# Altium PCB Robot Controller.PcbDoc (part 1 of 2) (continued)
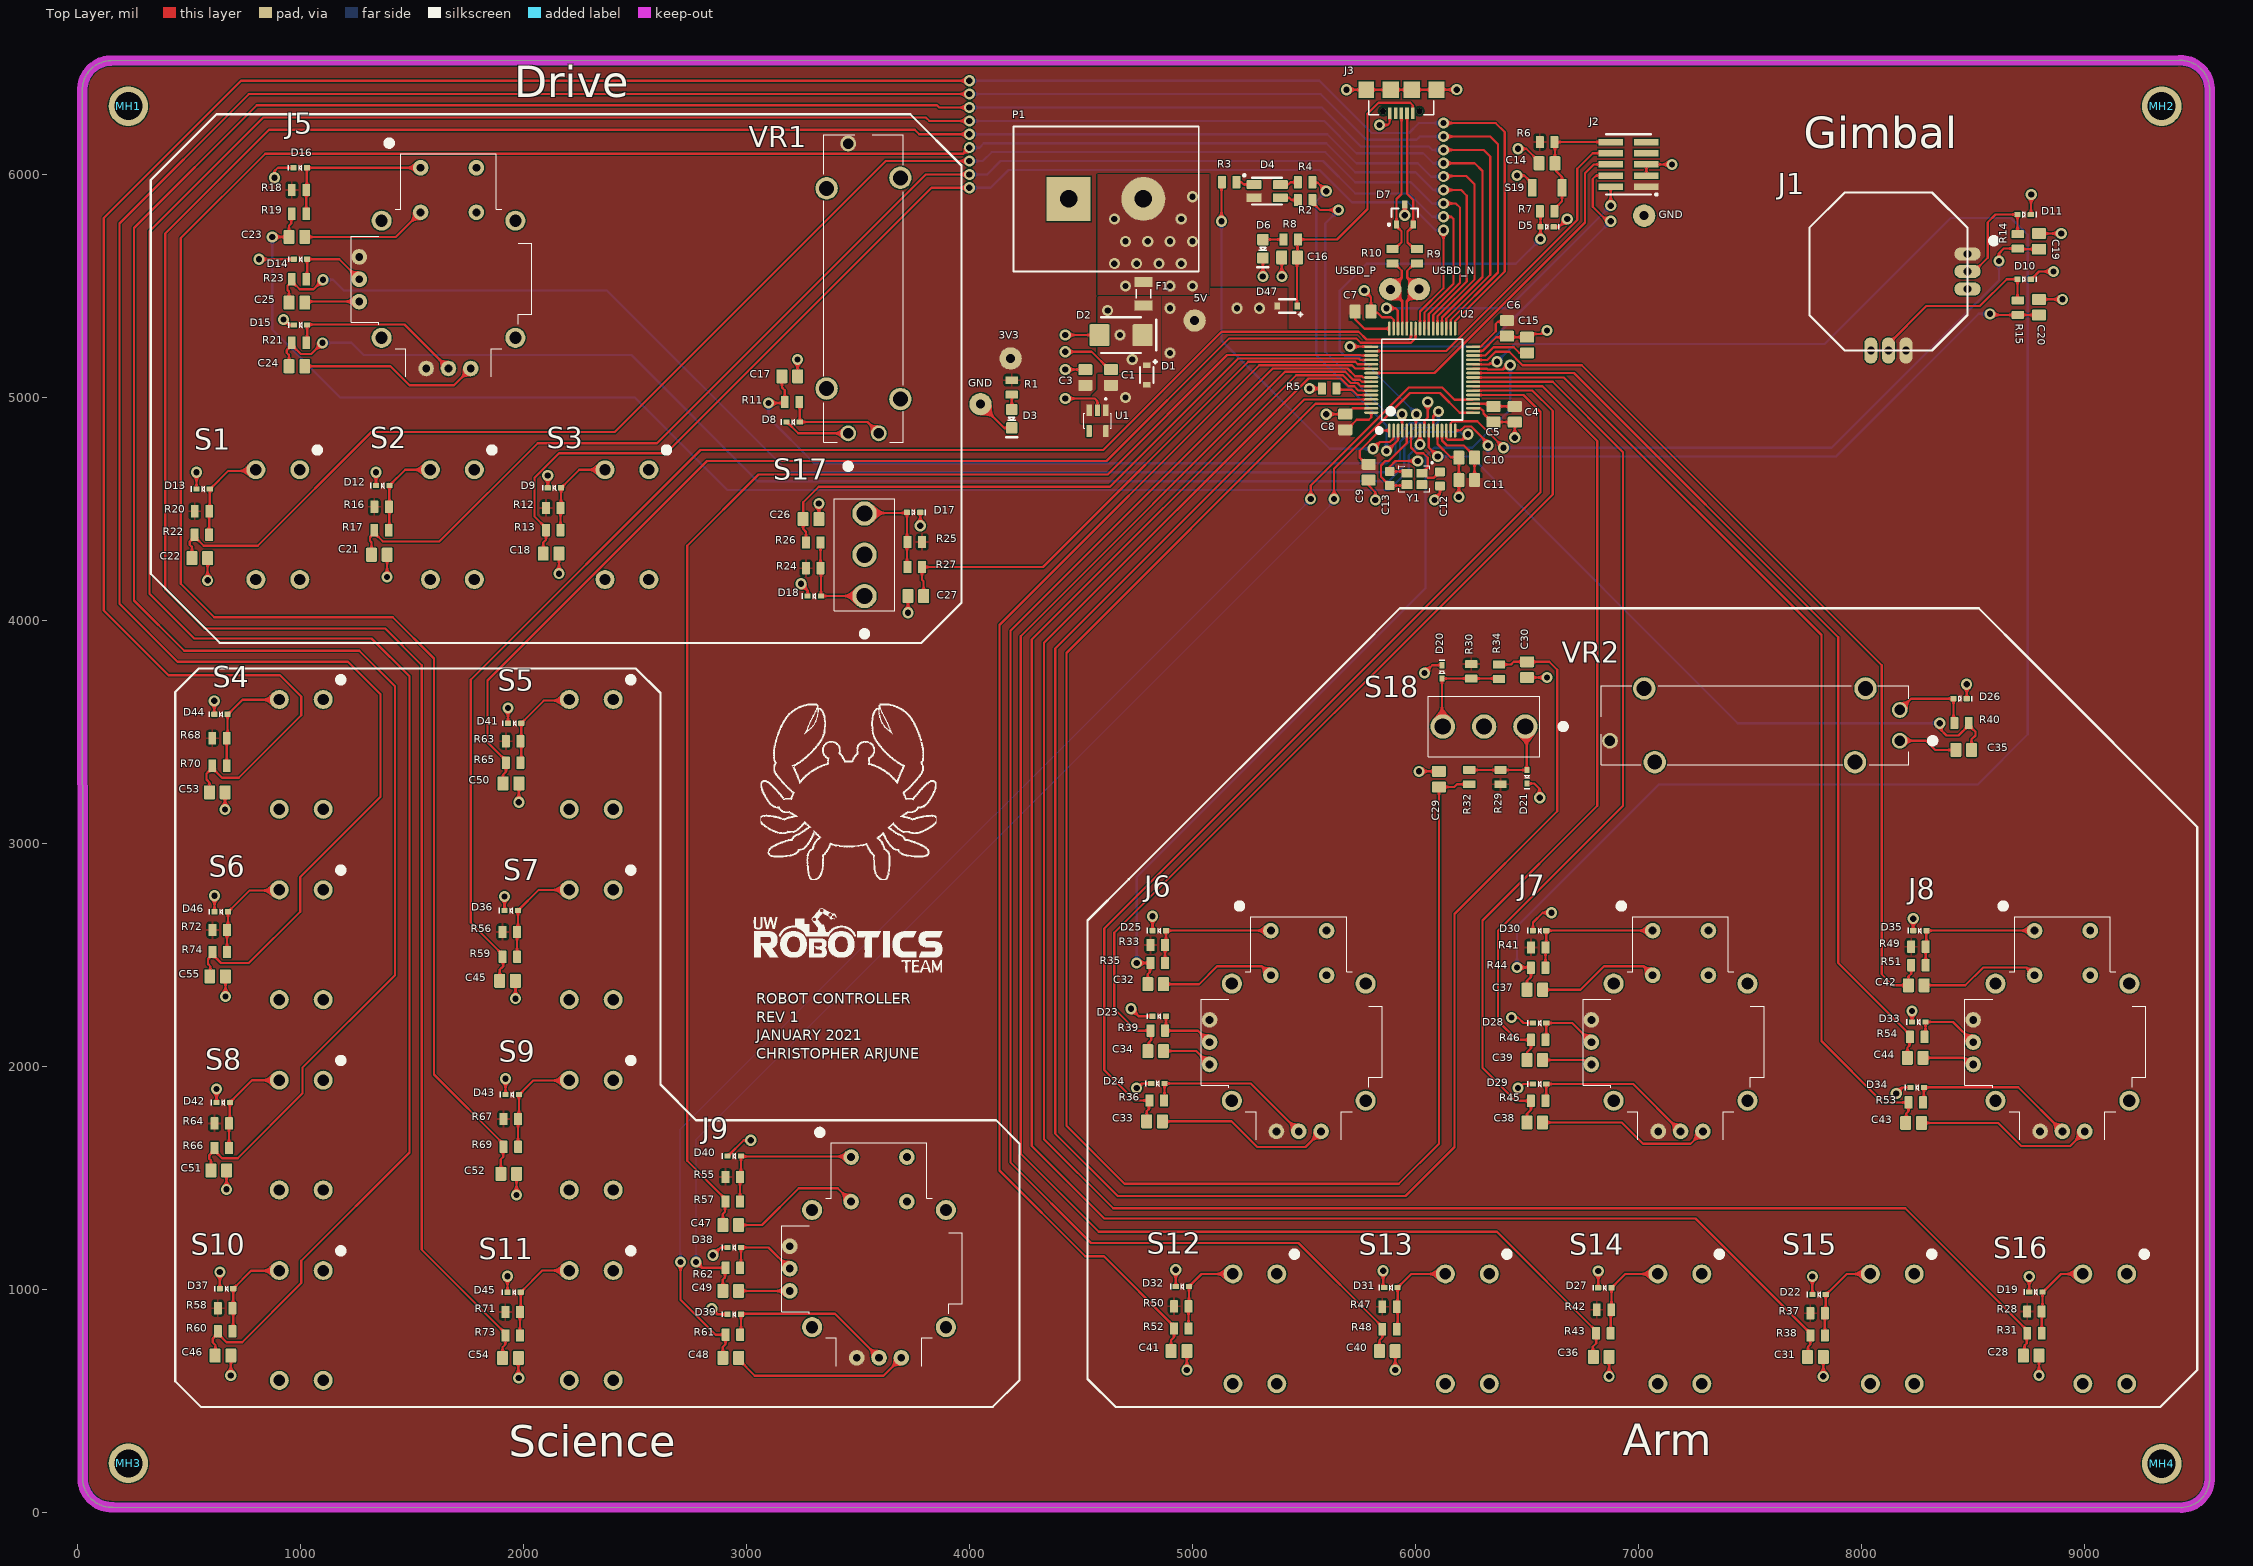
[diagram p0: Top Layer view]
## Components (designator, comment, footprint, x,y, rotation, side; value= is the part's Value field where it differs from the comment) (continued)
D15 "TVS_DIODE_UNIDIR_3.3V" SOD523 1001.5,5325 r180 top
D16 "TVS_DIODE_UNIDIR_3.3V" SOD523 1000,6030 r180 top
D17 "TVS_DIODE_UNIDIR_3.3V" SOD523 3750,4485 r0 top
D18 "TVS_DIODE_UNIDIR_3.3V" SOD523 3305,4110 r180 top
D19 "TVS_DIODE_UNIDIR_3.3V" SOD523 8781.14,990 r180 top
D20 "TVS_DIODE_UNIDIR_3.3V" SOD523 6118.7,3769.92 r90 top
D21 "TVS_DIODE_UNIDIR_3.3V" SOD523 6500,3300.08 r270 top
D22 "TVS_DIODE_UNIDIR_3.3V" SOD523 7808.98,979.15 r180 top
D23 "TVS_DIODE_UNIDIR_3.3V" SOD523 4851.38,2226.36 r180 top
D24 "TVS_DIODE_UNIDIR_3.3V" SOD523 4845,1925 r180 top
D25 "TVS_DIODE_UNIDIR_3.3V" SOD523 4851.38,2610 r180 top
D26 "TVS_DIODE_UNIDIR_3.3V" SOD523 8441.38,3650 r0 top
D27 "TVS_DIODE_UNIDIR_3.3V" SOD523 6848.98,1009.15 r180 top
D28 "TVS_DIODE_UNIDIR_3.3V" SOD523 6556.38,2195.7 r180 top
D29 "TVS_DIODE_UNIDIR_3.3V" SOD523 6556.38,1922.47 r180 top
D30 "TVS_DIODE_UNIDIR_3.3V" SOD523 6556.38,2610 r180 top
D31 "TVS_DIODE_UNIDIR_3.3V" SOD523 5890,1010 r180 top
D32 "TVS_DIODE_UNIDIR_3.3V" SOD523 4955,1015 r180 top
D33 "TVS_DIODE_UNIDIR_3.3V" SOD523 8256.14,2200.8 r180 top
D34 "TVS_DIODE_UNIDIR_3.3V" SOD523 8249.02,1906.99 r180 top
D35 "TVS_DIODE_UNIDIR_3.3V" SOD523 8261.14,2610 r180 top
D36 "TVS_DIODE_UNIDIR_3.3V" SOD523 1946.38,2700 r180 top
D37 "TVS_DIODE_UNIDIR_3.3V" SOD523 670,1005 r180 top
D38 "TVS_DIODE_UNIDIR_3.3V" SOD523 2946.14,1190 r180 top
D39 "TVS_DIODE_UNIDIR_3.3V" SOD523 2946.14,890 r180 top
D40 "TVS_DIODE_UNIDIR_3.3V" SOD523 2946.14,1600 r180 top
D41 "TVS_DIODE_UNIDIR_3.3V" SOD523 1961.38,3540 r180 top
D42 "TVS_DIODE_UNIDIR_3.3V" SOD523 655,1840 r180 top
D43 "TVS_DIODE_UNIDIR_3.3V" SOD523 1950.91,1875 r180 top
D44 "TVS_DIODE_UNIDIR_3.3V" SOD523 645,3580 r180 top
D45 "TVS_DIODE_UNIDIR_3.3V" SOD523 1959.02,989.15 r180 top
D46 "TVS_DIODE_UNIDIR_3.3V" SOD523 646.14,2695 r180 top
D47 "DIO_SCHOTTKY_30V_800mA" SOD-323_UNIDIR 5425,5410 r180 top
F1 "FUSE_1.25A_1206" FUSE_1206 4780,5465 r270 top
GND "TESTPOINT_LOOP" TESTPOINT_LOOP 7025,5815 r0 top (schematic designator TP4)
GND "TESTPOINT_LOOP" TESTPOINT_LOOP 4050,4970 r0 top (schematic designator TP3)
J1 "2_AXIS_JOYSTICK_SMALL" 2_AXIS_JOYSTICK_SMALL 8120,5565 r0 top
J2 "CON_PROGRAMMING" FTSH-105-01-F-DV-K-P-TR 6955,6045 r90 top
J3 "629105136821" 629105136821 5936.31,6379.54 r180 top
J5 "2_AXIS_JOYSTICK" 2_AXIS_JOYSTICK 1665,5530 r0 top
J6 "2_AXIS_JOYSTICK" 2_AXIS_JOYSTICK 5476.67,2110 r0 top
J7 "2_AXIS_JOYSTICK" 2_AXIS_JOYSTICK 7188.33,2110 r0 top
J8 "2_AXIS_JOYSTICK" 2_AXIS_JOYSTICK 8900,2110 r0 top
J9 "2_AXIS_JOYSTICK" 2_AXIS_JOYSTICK 3595,1095 r0 top
MH1 "MOUNTING_HOLE_M3" MOUNTING_HOLE_3mm#1 215,6355 r0 top
MH2 "MOUNTING_HOLE_M3" MOUNTING_HOLE_3mm#2 9345,6306 r0 top
MH3 "MOUNTING_HOLE_M3" MOUNTING_HOLE_3mm#3 220,240 r0 top
MH4 "MOUNTING_HOLE_M3" MOUNTING_HOLE_3mm#2 9345,220 r0 top
P1 "CONN_TERMINAL_2" OSTYK51102030 4612.68,5890 r0 top
R1 "240" RESC0805 4190,5045 r90 top
R2 "RES_20Ω_0805_1%" RESC0805 5505,5885 r0 top value=20O
R3 "RES_100Ω_0805_1%" RESC0805 5165,5965 r0 top value=100O
R4 "RES_20Ω_0805_1%" RESC0805 5505,5965 r0 top value=20O
R5 "RES_10kΩ_0805_5%" RESC0805 5612.52,5040 r180 top value=10kO
R6 "RES_10kΩ_0805_5%" RESC0805 6590,6145 r180 top value=10kO
R7 "RES_10kΩ_0805_5%" RESC0805 6590,5835 r180 top value=10kO
R8 "RES_1kΩ_0805_1%" RESC0805 5440.77,5707.83 r0 top
R9 "RES_20Ω_0805_1%" RESC0805 6006.49,5633.25 r270 top value=20O
R10 "RES_20Ω_0805_1%" RESC0805 5896.49,5633.25 r270 top value=20O
R11 "RES_10kΩ_0805_5%" RESC0805 3205,4980 r180 top value=10kO
R12 "RES_10kΩ_0805_5%" RESC0805 2135,4505 r0 top value=10kO
R13 "RES_10kΩ_0805_5%" RESC0805 2134.65,4405 r180 top value=10kO
R14 "RES_10kΩ_0805_5%" RESC0805 8700,5700 r270 top value=10kO
R15 "RES_10kΩ_0805_5%" RESC0805 8700,5402.52 r270 top value=10kO
R16 "RES_10kΩ_0805_5%" RESC0805 1365,4510 r0 top value=10kO
R17 "RES_10kΩ_0805_5%" RESC0805 1364.65,4405 r180 top value=10kO
R18 "RES_10kΩ_0805_5%" RESC0805 995,5930 r0 top value=10kO
R19 "RES_10kΩ_0805_5%" RESC0805 995,5823.43 r180 top value=10kO
R20 "RES_10kΩ_0805_5%" RESC0805 560,4490 r0 top value=10kO
R21 "RES_10kΩ_0805_5%" RESC0805 995,5245 r180 top value=10kO
R22 "RES_10kΩ_0805_5%" RESC0805 559.65,4385 r180 top value=10kO
R23 "RES_10kΩ_0805_5%" RESC0805 995,5530 r180 top value=10kO
R24 "RES_10kΩ_0805_5%" RESC0805 3300,4235 r0 top value=10kO
R25 "RES_10kΩ_0805_5%" RESC0805 3755.51,4351.97 r180 top value=10kO
R26 "RES_10kΩ_0805_5%" RESC0805 3300,4350 r180 top value=10kO
R27 "RES_10kΩ_0805_5%" RESC0805 3755,4240 r0 top value=10kO
R28 "RES_10kΩ_0805_5%" RESC0805 8774.65,902.52 r0 top value=10kO
R29 "RES_10kΩ_0805_5%" RESC0805 6380.85,3298.5 r90 top value=10kO
R30 "RES_10kΩ_0805_5%" RESC0805 6250,3772.48 r270 top value=10kO
R31 "RES_10kΩ_0805_5%" RESC0805 8775,805 r180 top value=10kO
R32 "RES_10kΩ_0805_5%" RESC0805 6240.96,3298.5 r270 top value=10kO
R33 "RES_10kΩ_0805_5%" RESC0805 4844.88,2545.23 r0 top value=10kO
R34 "RES_10kΩ_0805_5%" RESC0805 6374.29,3770.35 r90 top value=10kO
R35 "RES_10kΩ_0805_5%" RESC0805 4844.88,2464.71 r180 top value=10kO
R36 "RES_10kΩ_0805_5%" RESC0805 4839.88,1848.14 r180 top value=10kO
R37 "RES_10kΩ_0805_5%" RESC0805 7802.48,895 r0 top value=10kO
R38 "RES_10kΩ_0805_5%" RESC0805 7802.48,795.11 r180 top value=10kO
R39 "RES_10kΩ_0805_5%" RESC0805 4844.88,2161.58 r180 top value=10kO
R40 "RES_10kΩ_0805_5%" RESC0805 8447.87,3540.91 r0 top value=10kO
R41 "RES_10kΩ_0805_5%" RESC0805 6549.88,2534.67 r0 top value=10kO
R42 "RES_10kΩ_0805_5%" RESC0805 6845,910 r0 top value=10kO
R43 "RES_10kΩ_0805_5%" RESC0805 6842.48,805.11 r180 top value=10kO
R44 "RES_10kΩ_0805_5%" RESC0805 6549.88,2443.6 r180 top value=10kO
R45 "RES_10kΩ_0805_5%" RESC0805 6549.88,1847.14 r180 top value=10kO
R46 "RES_10kΩ_0805_5%" RESC0805 6549.88,2120.37 r180 top value=10kO
R47 "RES_10kΩ_0805_5%" RESC0805 5883.5,924.19 r0 top value=10kO
R48 "RES_10kΩ_0805_5%" RESC0805 5883.5,822.62 r180 top value=10kO
R49 "RES_10kΩ_0805_5%" RESC0805 8254.65,2538 r0 top value=10kO
R50 "RES_10kΩ_0805_5%" RESC0805 4950,925.85 r0 top value=10kO
R51 "RES_10kΩ_0805_5%" RESC0805 8254.65,2455.26 r180 top value=10kO
R52 "RES_10kΩ_0805_5%" RESC0805 4950,825.96 r180 top value=10kO
R53 "RES_10kΩ_0805_5%" RESC0805 8242.52,1840 r180 top value=10kO
R54 "RES_10kΩ_0805_5%" RESC0805 8249.65,2133.81 r180 top value=10kO
R55 "RES_10kΩ_0805_5%" RESC0805 2939.65,1505.85 r0 top value=10kO
R56 "RES_10kΩ_0805_5%" RESC0805 1939.88,2604.19 r0 top value=10kO
R57 "RES_10kΩ_0805_5%" RESC0805 2939.65,1395.96 r180 top value=10kO
R58 "RES_10kΩ_0805_5%" RESC0805 663.5,917.52 r0 top value=10kO
R59 "RES_10kΩ_0805_5%" RESC0805 1939.88,2492.62 r180 top value=10kO
R60 "RES_10kΩ_0805_5%" RESC0805 663.5,814.29 r180 top value=10kO
R61 "RES_10kΩ_0805_5%" RESC0805 2939.65,798.41 r180 top value=10kO
R62 "RES_10kΩ_0805_5%" RESC0805 2939.65,1098.41 r180 top value=10kO
R63 "RES_10kΩ_0805_5%" RESC0805 1954.88,3459.19 r0 top value=10kO
R64 "RES_10kΩ_0805_5%" RESC0805 648.5,1745.85 r0 top value=10kO
R65 "RES_10kΩ_0805_5%" RESC0805 1954.88,3362.62 r180 top value=10kO
R66 "RES_10kΩ_0805_5%" RESC0805 648.5,1635.96 r180 top value=10kO
R67 "RES_10kΩ_0805_5%" RESC0805 1944.41,1765.85 r0 top value=10kO
R68 "RES_10kΩ_0805_5%" RESC0805 638.5,3472.52 r0 top value=10kO
R69 "RES_10kΩ_0805_5%" RESC0805 1944.41,1640.96 r180 top value=10kO
R70 "RES_10kΩ_0805_5%" RESC0805 638.5,3349.29 r180 top value=10kO
R71 "RES_10kΩ_0805_5%" RESC0805 1952.52,900 r0 top value=10kO
R72 "RES_10kΩ_0805_5%" RESC0805 639.65,2612.52 r0 top value=10kO
R73 "RES_10kΩ_0805_5%" RESC0805 1952.52,795.11 r180 top value=10kO
R74 "RES_10kΩ_0805_5%" RESC0805 639.65,2514.29 r180 top value=10kO
S1 "SW_MOMENTARY_PUSHBUTTON" TACTILE_SWITCH_PTH_12MM 900,4430 r90 top
S2 "SW_MOMENTARY_PUSHBUTTON" TACTILE_SWITCH_PTH_12MM 1682.5,4430 r90 top
S3 "SW_MOMENTARY_PUSHBUTTON" TACTILE_SWITCH_PTH_12MM 2465,4430 r90 top
S4 "SW_MOMENTARY_PUSHBUTTON" TACTILE_SWITCH_PTH_12MM 1005,3400 r90 top
S5 "SW_MOMENTARY_PUSHBUTTON" TACTILE_SWITCH_PTH_12MM 2305,3400 r90 top
S6 "SW_MOMENTARY_PUSHBUTTON" TACTILE_SWITCH_PTH_12MM 1005,2546.67 r90 top
S7 "SW_MOMENTARY_PUSHBUTTON" TACTILE_SWITCH_PTH_12MM 2305,2546.67 r90 top
S8 "SW_MOMENTARY_PUSHBUTTON" TACTILE_SWITCH_PTH_12MM 1005,1693.33 r90 top
S9 "SW_MOMENTARY_PUSHBUTTON" TACTILE_SWITCH_PTH_12MM 2305,1693.33 r90 top
S10 "SW_MOMENTARY_PUSHBUTTON" TACTILE_SWITCH_PTH_12MM 1005,840 r90 top
S11 "SW_MOMENTARY_PUSHBUTTON" TACTILE_SWITCH_PTH_12MM 2305,840 r90 top
S12 "SW_MOMENTARY_PUSHBUTTON" TACTILE_SWITCH_PTH_12MM 5280,825 r90 top
S13 "SW_MOMENTARY_PUSHBUTTON" TACTILE_SWITCH_PTH_12MM 6232.5,825 r90 top
S14 "SW_MOMENTARY_PUSHBUTTON" TACTILE_SWITCH_PTH_12MM 7185,825 r90 top
S15 "SW_MOMENTARY_PUSHBUTTON" TACTILE_SWITCH_PTH_12MM 8137.5,825 r90 top
S16 "SW_MOMENTARY_PUSHBUTTON" TACTILE_SWITCH_PTH_12MM 9090,825 r90 top
S17 "SW_SPDT" 100SP1T1B4M2QE 3530,4295 r90 top
S18 "100SP1T1B4M2QE" 100SP1T1B4M2QE 6307.44,3525 r180 top
S19 "SW_TACTILE" B3U-1000P 6590,5940 r180 top
U1 "LDO_3.3V_600mA" SOT95P285X140-5N 4574.34,4896.38 r270 top
U2 "STM32F446RET6" STM-LQFP64_L 6030,5080 r90 top
USBD_N "TESTPOINT_LOOP" TESTPOINT_LOOP 6015,5486 r0 top (schematic designator TP5)
USBD_P "TESTPOINT_LOOP" TESTPOINT_LOOP 5887,5485 r0 top (schematic designator TP6)
VR1 "POT_10K_SLIDE" PTA20432015CPB103 3456.46,4839.21 r90 top
VR2 "POT_10K_SLIDE" PTA20432015CPB103 8170.87,3461.46 r180 top
Y1 "CRYSTAL_25MHZ" SOIC254P1016X440-4N 5995,4635 r180 top

## Footprints (in the part's own frame and the unit in brackets; to place one, negate y for a bottom-side part, rotate by r counter-clockwise, add the part's x,y. Pads: shape width x height; smd on the part's side, far side on the other; paste and mask are expansions set on the pad)
2_AXIS_JOYSTICK [mil]
  round 70 hole 35.43: B1A(-125,500) B1B(125,500) B2A(-125,300) B2B(125,300)
  round 70 hole 35: H1(-100,-400) H2(0,-400) H3(100,-400) V1(-400,100) V2(-400,0) V3(-400,-100)
  round 90 hole 55: S1(-300,262.5) S2(-300,-262.5) S3(300,-262.5) S4(300,262.5)
  silkscreen extent -437,-437 374,622, body extent -522,-527 528,560, height 1190
2_AXIS_JOYSTICK_SMALL [mm]
  oval 3x1.5 hole 0.9: 1(9,2) 2(9,0) 3(9,-2)
  oval 1.5x3 hole 0.9: 4(2,-9) 5(0,-9) 6(-2,-9)
  silkscreen extent -9,-9 12.3,9
100SP1T1B4M2QE [mm]
  round 2.775 hole 1.85: 1(-4.7,0) 2(0,0) 3(4.7,0)
  silkscreen extent -9.3,-3.43 6.35,3.43, body extent -6.35,-3.43 6.35,3.43, height 29.63
629105136821 [mm] "Micro USB 2.0 SMT Type B Horizontal 5 Contacts"
  rect 0.4x1.35 smd: 1(-1.3,2.675) 2(-0.65,2.675) 3(0,2.675) 4(0.65,2.675) 5(1.3,2.675)
  round 0.7 hole 0.7 unplated: MH1(-2.075,2.45) MH2(2.075,2.45)
  rect 1.8x1.9 smd: Shell(-4,0) Shell(4,0)
  rect 1.9x1.9 smd: Shell(-1.2,0) Shell(1.2,0)
  silkscreen extent -3.7,1.25 3.7,2.85, body extent -4,-2.73 4,3.17, height 2.69
B3U-1000P [mm] "TACTILE SWITCH GREY"
  rrect15% 1x2 smd: 1(-1.7,0) 2(1.7,0)
  body extent -2,-1.25 2,1.25, height 1.6
CAP0603 [mm]
  rrect20% 1x1.1 smd: 1(-0.8,0) 2(0.8,0)
  body extent -0.87,-0.48 0.88,0.48, height 0.87
CAP2012 [mm]
  rrect20% 1.25x1.6 smd: 1(-0.895,0) 2(0.895,0)
  body extent -1.1,-0.7 1.1,0.75, height 1.41
FTSH-105-01-F-DV-K-P-TR [mil] "Samtec programming header 10 positions"
  rect 29x110 smd mask+2: 1(-100,-80) 2(-100,80) 3(-50,-80) 4(-50,80) 5(0,-80) 6(0,80) 7(50,-80) 8(50,80) 9(100,-80) 10(100,80)
  silkscreen extent -140,-130 135,100, body extent -125,-175 125,115, height 276
FUSE_1206 [mil]
  rect 45x80 smd mask+1: 1(-52.5,0) 2(52.5,0)
  silkscreen extent -20,-32 20,32, body extent -65,-32 65,32, height 32
LED_0805_GREEN [mm] "SMD, 2-Leads, Body 2x1.25mm"
  rrect20% 1.3x1.3 smd: 1(-1.05,0) 2(1.05,0)
  silkscreen extent -0.18,-0.63 2.11,0.64, body extent -1,-0.62 1,0.63, height 1.12
LED_0805_YELLOW [mm] "SMD, 2-Leads, Body 2x1.25mm"
  rrect20% 1.3x1.3 smd: 1(-1.05,0) 2(1.05,0)
  silkscreen extent -0.18,-0.63 2.11,0.64, body extent -1,-0.62 1,0.63, height 1.12
LED_RGB [mm]
  rrect20% 1x1.7 smd: 1(-0.75,-1.5) 2(-0.75,1.5) 3(0.75,1.5) 4(0.75,-1.5)
  silkscreen extent -1.92,-2.72 1.53,1.7, body extent -1.4,-1.75 1.4,1.75, height 1.89
MOUNTING_HOLE_3mm#1 [mm] "3mm Hole"
  round 4.5 hole 3.2 mask+0.3: 0(0.381,-1.245)
MOUNTING_HOLE_3mm#2 [mm] "3mm Hole"
  round 4.5 hole 3.2 mask+0.3: 0(0,0)
MOUNTING_HOLE_3mm#3 [mm] "3mm Hole"
  round 4.5 hole 3.2 mask+0.3: 0(0.254,-0.457)
OSTYK51102030 [mm] "Connector; Header; 2 Position"
  rect 5x5 hole 2: 1(-4.25,0)
  round 5 hole 2: 2(4.25,0)
  silkscreen extent -10.55,-8.25 10.55,8.25
PTA20432015CPB103 [mm]
  round 1.8 hole 1.2: 1(0,0) 2(0,-3.5) 3(33,0)
  round 2.55 hole 1.7: 4(3.9,-5.95) 5(5.1,2.45) 6(27.9,2.45) 7(29.1,-5.95)
  silkscreen extent -4.05,-6.25 34,2.75, body extent -1,-6.7 34,3.2, height 6.6
RESC0805 [mm] "Chip Resistor, 2-Leads, Body 2.00x1.25mm, IPC High Density"
  rrect15% 0.9x1.4 smd: 1(-0.825,0) 2(0.825,0)
  body extent -1,-0.62 1,0.63, height 0.61
SMBJ5.0A [mm] "9.2V Clamp 65.3A Ipp Tvs Diode Surface Mount SMB (DO-214AA)"
  rrect15% 2.3x2.5 smd: 1(-2.45,0) 2(2.45,0)
  silkscreen extent -4,-2.03 2.25,2.03, body extent -2.7,-1.8 2.7,1.8, height 2.27
SOD523 [mm] "ESD5Z3.3T1G"
  rrect15% 0.7x0.6 smd: 1(-0.76,0) 2(0.76,0)
  silkscreen extent -0.18,-0.3 1.35,0.31, body extent -0.8,-0.4 0.8,0.4, height 0.7
SOD-323_UNIDIR [mm]
  rect 0.63x0.83 smd: 1(-1.115,0) 2(1.115,0)
  silkscreen extent -1.73,-0.76 0.9,1.17, body extent -1.24,-0.62 1.24,0.62, height 1.1
SOIC254P1016X440-4N [mm]
  rrect15% 1.25x1 smd: 1(-0.85,-0.65) 2(0.85,-0.65) 3(0.85,0.65) 4(-0.85,0.65)
  silkscreen extent -2.11,-1.93 1.75,1.47, body extent -1.24,-0.85 1.24,0.85, height 0.56
SOT23-3 [mm] "SOT23, 3-Leads, Body 2.90x2.30mm, Pitch 0.95mm, IPC Medium Density"
  rect 0.9x0.6 smd: 1(-1.15,0.95) 2(-1.15,-0.95) 3(1.15,0)
  silkscreen extent -1.27,-1.5 0.7,1.92, body extent -1.3,-1.5 1.3,1.5, height 1.1
SOT95P285X140-5N [mm] "AP2112K-3.3TRG1 LDO"
  rrect15% 1.35x0.6 smd: 1(-1.185,0.95) 2(-1.185,0) 3(-1.185,-0.95) 4(1.185,-0.95) 5(1.185,0.95)
  silkscreen extent -2.57,-1.55 0.85,1.55, body extent -1.4,-1.5 1.4,1.5, height 1.4
STM-LQFP64_L [mm] "QFP, 64-Leads, Body 10x10mm, Pitch 0.5mm, IPC High Density"
  oval 1.6x0.3 smd: 1(-5.8,3.75) 2(-5.8,3.25) 3(-5.8,2.75) 4(-5.8,2.25) 5(-5.8,1.75) 6(-5.8,1.25) 7(-5.8,0.75) 8(-5.8,0.25) 9(-5.8,-0.25) 10(-5.8,-0.75) 11(-5.8,-1.25) 12(-5.8,-1.75) 13(-5.8,-2.25) 14(-5.8,-2.75) 15(-5.8,-3.25) 16(-5.8,-3.75) 33(5.8,-3.75) 34(5.8,-3.25) 35(5.8,-2.75) 36(5.8,-2.25) 37(5.8,-1.75) 38(5.8,-1.25) 39(5.8,-0.75) 40(5.8,-0.25) 41(5.8,0.25) 42(5.8,0.75) 43(5.8,1.25) 44(5.8,1.75) 45(5.8,2.25) 46(5.8,2.75) 47(5.8,3.25) 48(5.8,3.75)
  oval 0.3x1.6 smd: 17(-3.75,-5.8) 18(-3.25,-5.8) 19(-2.75,-5.8) 20(-2.25,-5.8) 21(-1.75,-5.8) 22(-1.25,-5.8) 23(-0.75,-5.8) 24(-0.25,-5.8) 25(0.25,-5.8) 26(0.75,-5.8) 27(1.25,-5.8) 28(1.75,-5.8) 29(2.25,-5.8) 30(2.75,-5.8) 31(3.25,-5.8) 32(3.75,-5.8) 49(3.75,5.8) 50(3.25,5.8) 51(2.75,5.8) 52(2.25,5.8) 53(1.75,5.8) 54(1.25,5.8) 55(0.75,5.8) 56(0.25,5.8) 57(-0.25,5.8) 58(-0.75,5.8) 59(-1.25,5.8) 60(-1.75,5.8) 61(-2.25,5.8) 62(-2.75,5.8) 63(-3.25,5.8) 64(-3.75,5.8)
  silkscreen extent -5.92,-4.6 4.6,5.02, body extent -5.98,-6 6.02,6, height 1.56
TACTILE_SWITCH_PTH_12MM [mil]
  round 85 / inner round 60 / far side round 85 hole 51.18: 1(246.06,-98.43) 2(-246.06,-98.43) 3(246.06,98.43) 4(-246.06,98.43)
  silkscreen extent 323,-189 346,-165, body extent -274,-235 272,237, height 374
TESTPOINT_LOOP [mm]
  round 2.54 hole 1.02: 1(0,0)
  body extent -1.27,-1.27 1.27,1.27, height 4.57

## Part data
3V3 5V GND GND USBD_N USBD_P: "TESTPOINT THRUHOLE", Manufacturer 1="Keystone Electronics", Manufacturer Part Number 1=5002, Package/Footprint=TH, Supplier Part Number 1=36-5002-ND, Mounting Type=TH, Supplier 1=Digi-Key
C1 C3 C11 C14 C17 C18 C19 C20 C21 C22 C23 C24 C25 C26 C27 C28 C29 C30 C31 C32 C33 C34 C35 C36 C37 C38 C39 C40 C41 C42 C43 C44 C45 C46 C47 C48 C49 C50 C51 C52 C53 C54 C55: "CAP CER 1UF 50V X7R 0805", LCSC Part #=C28323, Manufacturer 1="Samsung Electro-Mechanics", Manufacturer Part Number 1=CL21B105KBFNNNG, Package/Footprint=0805, Supplier Part Number 1=1276-6470-1-ND, Voltage Rating=50V, Mounting Type=SMD, Supplier 1=Digi-Key
C4 C5 C6 C7 C9 C10 C16: "CAP CER 0.1UF 50V X7R 0805", Dielectric=X7R, LCSC Part #=C49678, Manufacturer 1="Murata Electronics", Manufacturer Part Number 1=GCM21BR71H104KA37K, Package/Footprint=0805, Supplier Part Number 1=490-8049-1-ND, Voltage Rating=50V, Mounting Type=SMD, Supplier 1=Digi-Key
C8 C15: "CAP CER 4.7UF 16V X5R 0805", Dielectric=X5R, LCSC Part #=C1779, Manufacturer 1="Samsung Electro-Mechanics", Manufacturer Part Number 1=CL21A475KOFNNNE, Package/Footprint=0805, Supplier Part Number 1=1276-1065-1-ND, Voltage Rating=16V, Mounting Type=SMD, Supplier 1=Digi-Key
C12 C13: "CAP CER 14PF 50V C0G/NP0 0603", Dielectric=C0G, Manufacturer 1=Samsung, Manufacturer Part Number 1=CL10C140JB8NNNC, Package/Footprint=0603, Supplier Part Number 1=1276-2187-1-ND, Voltage Rating=50V, Mounting Type=SMD, Supplier 1=Digi-Key
D1 D47: "DIODE SCHOTTKY 30V 800MA USC", Manufacturer 1="Toshiba Semiconductor and Storage", Manufacturer Part Number 1=CUS08F30,H3F, Supplier Part Number 1=CUS08F30H3FCT-ND, Io=800mA, Mounting Type=SMD, Supplier 1=Digi-Key, Vf (Max)=220mV, Vr (Max)=30V
D2: "TVS DIODE 5V 9.2V SMB", Manufacturer 1=Bourns, Manufacturer Part Number 1=SMBJ5.0A, Package/Footprint=SMB, Supplier Part Number 1=SMBJ5.0ABCT-ND, Mounting Type=SMD, Supplier 1=Digi-Key
D3: "LED GREEN DIFFUSED 0805 SMD", Forward Voltage Drop=2.2V, Manufacturer 1=OSRAM, Manufacturer Part Number 1="LG R971-KN-1", Package/Footprint=0805, Supplier Part Number 1=475-1410-1-ND, Mounting Type=SMD, Supplier 1=Digi-Key
D4: "LED RGB DIFFUSED 4PLCC SMD", Color=Blue,Green,Red, Forward Voltage=3.1V, Lens Color=White, Manufacturer 1=Broadcom, Manufacturer Part Number 1=ASMB-MTB1-0A3A2, Package/Footprint=4-PLCC, Supplier Part Number 1=516-3280-1-ND, Test Current=20mA, Dominant Wavelength=470nm, Lens Style=Round, Lens Transparency=Diffused, Luminous Intensity=350mcd, Mounting Type=SMD, Number of Pins=4, Supplier 1=Digi-Key, Viewing Angle=115°
D5 D8 D9 D10 D11 D12 D13 D14 D15 D16 D17 D18 D19 D20 D21 D22 D23 D24 D25 D26 D27 D28 D29 D30 D31 D32 D33 D34 D35 D36 D37 D38 D39 D40 D41 D42 D43 D44 D45 D46: "TVS DIODE 3.3V 14.1V SOD523", LCSC Part #=C61148, Manufacturer 1="ON Semiconductor", Manufacturer Part Number 1=ESD5Z3.3T1G, Package/Footprint=SOD-523, Supplier Part Number 1=ESD5Z3.3T1GOSCT-ND, Voltage - Breakdown (Min)=5V, Voltage - Clamping (Max) @ Ipp=14.1V, Voltage - Reverse Standoff (Typ)=3.3V, Mounting Type=SMD, Supplier 1=Digi-Key
D6: "LED YELLOW DIFFUSED 0805 SMD", Forward Voltage Drop=2.2V, Manufacturer 1=OSRAM, Manufacturer Part Number 1="LY R976-PS-36", Package="0805 (2012 Metric)", Supplier Part Number 1=475-2560-1-ND, Supplier 1=Digi-Key
D7: "TVS DIODE 5.5V 8V SOT23-3", Manufacturer 1="Texas Instruments", Manufacturer Part Number 1=TPD2E009DBZR, Package/Footprint=SOT-23-3, Supplier Part Number 1=296-24657-1-ND, Mounting Type=SMD, Supplier 1=Digi-Key, Verified=No
F1: "FUSE BOARD MOUNT 1.25A 63VAC/VDC 1206", Current Rating=1.25A, Manufacturer 1=Littelfuse, Manufacturer Part Number 1=04661.25NRHF, Package/Footprint=1206, Supplier Part Number 1=F11418CT-ND, Voltage Rating (DC)=63V, Mounting Type=SMD, Supplier 1=Digi-Key
J1: "JOYSTICK 10K OHM 2 AXIS TH", Manufacturer 1="Adafruit Industries LLC", Manufacturer Part Number 1=2765, Package/Footprint=TH, Supplier Part Number 1=1528-1730-ND, Mounting Type=TH, Supplier 1=Digi-Key
J2: "CONN HEADER SMD 10POS 1.27MM", Manufacturer 1=Samtec, Manufacturer Part Number 1=FTSH-105-01-F-DV-K, Package/Footprint=SMD, Supplier Part Number 1=SAM8796-ND, Mounting Type=SMD, Pitch=1.27mm, Supplier 1=Digi-Key
J3: library part CMP-1502-03253-1, "Micro USB 2.0 Type B Receptacle WR-COM, Horizontal, SMT, with Pads and Pegs", Contact Resistance=30mOhm, Manufacturer="Wurth Elektronik", Operating Temperature=-40to105degC, Rated Current=1A, Working Voltage=30VAC, Connector Type=MicroUSB2.0TypeB, Datasheet URL=https://katalog.we-online.de/em/datasheet/629105136821.pdf, Gender=Receptacle, Manufacturer URL=http://www.we-online.de, Mounting Technology=SMT, Orientation=Horizontal, Package Reference=629105136821, Packaging=TapeandReel, Part Number=629105136821, Publisher=WurthElektronik
J5 J6 J7 J8 J9: "JOYSTICK 10K OHM 2 AXIS TH", Manufacturer 1=SparkFun, Manufacturer Part Number 1=COM-09032, Package/Footprint=TH, Supplier Part Number 1=1568-1526-ND, Mounting Type=TH, Supplier 1=Digi-Key, Verified=No
P1: "Header, 2-Pin", Manufacturer 1="On Shore Technology Inc.", Manufacturer Part Number 1=OSTYK51102030, Supplier Part Number 1=ED2953-ND, Supplier 1=Digi-Key
R1: library part RES_240O_0805_1%, "RES 240 OHM 1% 1/8W 0805", Manufacturer 1=Vishay, Manufacturer Part Number 1=CRCW0805240RFKEA, Supplier Part Number 1=541-240CCT-ND, Supplier 1=Digi-Key
R2 R4 R9 R10: library part RES_20O_0805_1%, "RES 20 OHM 1% 1/8W 0805", LCSC Part #=C17581, Manufacturer 1=Yageo, Manufacturer Part Number 1=RC0805FR-0720RL, Package/Footprint=0805, Supplier Part Number 1=311-20.0CRCT-ND, Mounting Type=SMD, Supplier 1=Digi-Key
R3: library part RES_100O_0805_1%, "RES 100 OHM 1% 1/8W 0805", LCSC Part #=C1790, Manufacturer 1="Vishay Dale", Manufacturer Part Number 1=CRCW0805100RFKEA, Package/Footprint=0805, Supplier Part Number 1=541-100CCT-ND, Mounting Type=SMD, Supplier 1=Digi-Key
R5 R6 R7 R11 R12 R13 R14 R15 R16 R17 R18 R19 R20 R21 R22 R23 R24 R25 R26 R27 R28 R29 R30 R31 R32 R33 R34 R35 R36 R37 R38 R39 R40 R41 R42 R43 R44 R45 R46 R47 R48 R49 R50 R51 R52 R53 R54 R55 R56 R57 R58 R59 R60 R61 R62 R63 R64 R65 R66 R67 R68 R69 R70 R71 R72 R73 R74: library part RES_10kO_0805_5%, "RES 10K OHM 5% 1/8W 0805", LCSC Part #=C17414, Manufacturer 1="Panasonic Electronic Components", Manufacturer Part Number 1=ERJ-6GEYJ103V, Package/Footprint=0805, Supplier Part Number 1=P10KACT-ND, Mounting Type=SMD, Supplier 1=Digi-Key
R8: library part RES_1kO_0805_1%, "RES 1K OHM 1% 1/8W 0805", LCSC Part #=C17513, Manufacturer 1=Yageo, Manufacturer Part Number 1=RC0805FR-071KL, Package/Footprint=0805, Supplier Part Number 1=311-1.00KCRCT-ND, Mounting Type=SMD, Parameter 1=1kO, Supplier 1=Digi-Key
S1 S2 S3 S4 S5 S6 S7 S8 S9 S10 S11 S12 S13 S14 S15 S16: "TACTILE MOMENTARY PUSHBUTTON SPST", Manufacturer 1=SparkFun, Manufacturer Part Number 1=COM-10302, Package/Footprint=TH, Supplier Part Number 1=1568-1332-ND, Mounting Type=TH, Supplier 1=Digi-Key, Verified=No
S17: "SWITCH TOGGLE SPDT 5A 120V", Manufacturer 1=E-Switch, Manufacturer Part Number 1=100SP1T1B4M2QE, Package/Footprint=TH, Supplier Part Number 1=EG2355-ND, Voltage Rating (DC)=28V, Mounting Type=TH, Supplier 1=Digi-Key, Throw Configuration=SPDT
S18: library part SW_SPDT, "SWITCH TOGGLE SPDT 5A 120V", Manufacturer 1=E-Switch, Package/Footprint=TH, Supplier Part Number 1=EG2355-ND, Voltage Rating (DC)=28V, Manufacturer Part Number 1=100SP1T1B4M2QE, Mounting Type=TH, Supplier 1=Digi-Key, Throw Configuration=SPDT
S19: "SWITCH TACTILE SPST-NO 0.05A 12V", Manufacturer 1="Omron Electronics Inc-EMC Div", Manufacturer Part Number 1=B3U-1000P, Package/Footprint=SMD, Supplier Part Number 1=SW1020CT-ND, Mounting Type=SMD, Supplier 1=Digi-Key
U1: "IC REG LINEAR 3.3V 600MA SOT25", Input Voltage (Max)=6V, LCSC Part #=C51118, Manufacturer 1="Diodes Incorporated", Manufacturer Part Number 1=AP2112K-3.3TRG1, Operating Temperature="-40°C - 85°C", Output Current=600mA, Output Voltage (Fixed)=3.3V, Package/Footprint=SOT-25, Supplier Part Number 1=AP2112K-3.3TRG1DICT-ND, Voltage Dropout (Max)=0.4V, Mounting Type=SMD, Supplier 1=Digi-Key
U2: library part MCU_STM32F446RET6, "ARM Cortex-M4 32-bit MCU+FPU, 512 KB Flash, 128 KB Internal RAM, 50 I/Os, 64-Pin LQFP, -40 to 85 degC, Tray", I/Os (High Current)=50, Operating Frequency(F) (Processor speed) (MHz)=180, Package Description=LQFP64, Package Reference="64-Pin Low-profile Quad Flat Package, Body 10 x 10 mm, Pitch 0.5 mm", Supplier Part Number 1=497-15376-ND, Supply Voltage(Vcc) min (V)=1.7, ComponentLink1Description="Manufacturer URL", ComponentLink1URL=http://www.st.com/, ComponentLink2Description=Datasheet, ComponentLink2URL=http://www.st.com/st-web-ui/static/active/en/resource/technical/document/datasheet/DM00141306.pdf, Core="ARM Cortex-M4", D/A Converter=2, DatasheetVersion="Rev. 6", FLASH Size (Prog) (kB)=512, Internal RAM Size (kB)=128, Mounting Technology="Surface Mount", Packing=Tray, Supplier 1=Digi-Key
VR1 VR2: "SLIDE POT 10K OHM 0.1W TOP 20MM", Manufacturer 1=Bourns, Manufacturer Part Number 1=PTA2043-2015DPB103, Supplier Part Number 1=PTA2043-2015DPB103-ND, Supplier 1=Digi-Key
Y1: "CRYSTAL 25.0000MHZ 12PF SMD", Frequency=25MHz, Load Capacitance=12pF, Manufacturer 1="Kyocera AVX", Manufacturer Part Number 1=CX2520DB25000H0FLJC1, Package/Footprint=SMD, Supplier Part Number 1=1253-1724-1-ND, Mounting Type=SMD, Supplier 1=Digi-Key

## Via types
v1: diameter 50, hole 28, Top Layer to Bottom Layer, tented both sides, 158 vias

## Nets (pads, with @x,y where several pads share a name; then routed paths per layer and width w, separated by ;. In a path a pad name is that pad's centre, name@x,y a point inside that pad or via, vN(x,y) a via of type N, cw(c..) or ccw(c..) an arc to the next point about the centre after c; other vN are vias at no path point)
3V3: 3V3.1 C3.1 C4.2 C5.2 C6.2 C7.2 C8.2 C9.2 C10.2 C11.2 D4.4 J1.1 J1.4 J2.1 J5.H1 J5.V1 J6.H1 J6.V1 J7.H1 J7.V1 J8.H1 J8.V1 J9.H1 J9.V1 R1.2 R6.2 R12.1 R16.1 R18.1 R20.1 R24.1 R25.1 R28.1 R29.1 R30.1 R33.1 R37.1 R41.1 R42.1 R47.1 R49.1 R50.1 R55.1 R56.1 R58.1 R63.1 R64.1 R67.1 R68.1 R71.1 R72.1 U1.5 U2.1 U2.13 U2.19 U2.32 U2.48 U2.64 VR1.3 VR2.3 | length 1333.6
  Top Layer w10: C8.2@5685,4854.76 5691.89,4854.76 5737.13,4900 5790,4900 5801.65,4911.65 U2.64@5801.65,4931.14 ; C7.2@5730,5375.24 5730,5350 5771.65,5308.35 U2.48@5881.14,5308.35 ; C9.2@5779.76,4700.24 5750,4730 5750,4761.65 5840,4851.65 U2.1@5881.14,4851.65 ; U2.13@6118.58,4851.65 6118.58,4807.58 6141.17,4785 6216.89,4785 6265,4736.89 C10.2@6265,4730 6265,4630.24 C11.2@6264.76,4630 ; U2.19@6258.35,4971.73 6338.5,4971.73 C5.2@6350,4960.24 C4.2@6445,4960.24 ; U2.32@6258.35,5227.64 6290.98,5227.64 6360,5296.66 6360,5330 6370,5340 6404.76,5340 C6.2@6410,5345.24
5V: 5V.1 C1.1 D1.2 D47.2 U1.1 U1.3
  other v1: 4700,5000 4900,5200 4900,5400 5200,5400 5300,5400